# Allegro board BeagleBoard-X15_RevA2.brd (continued)
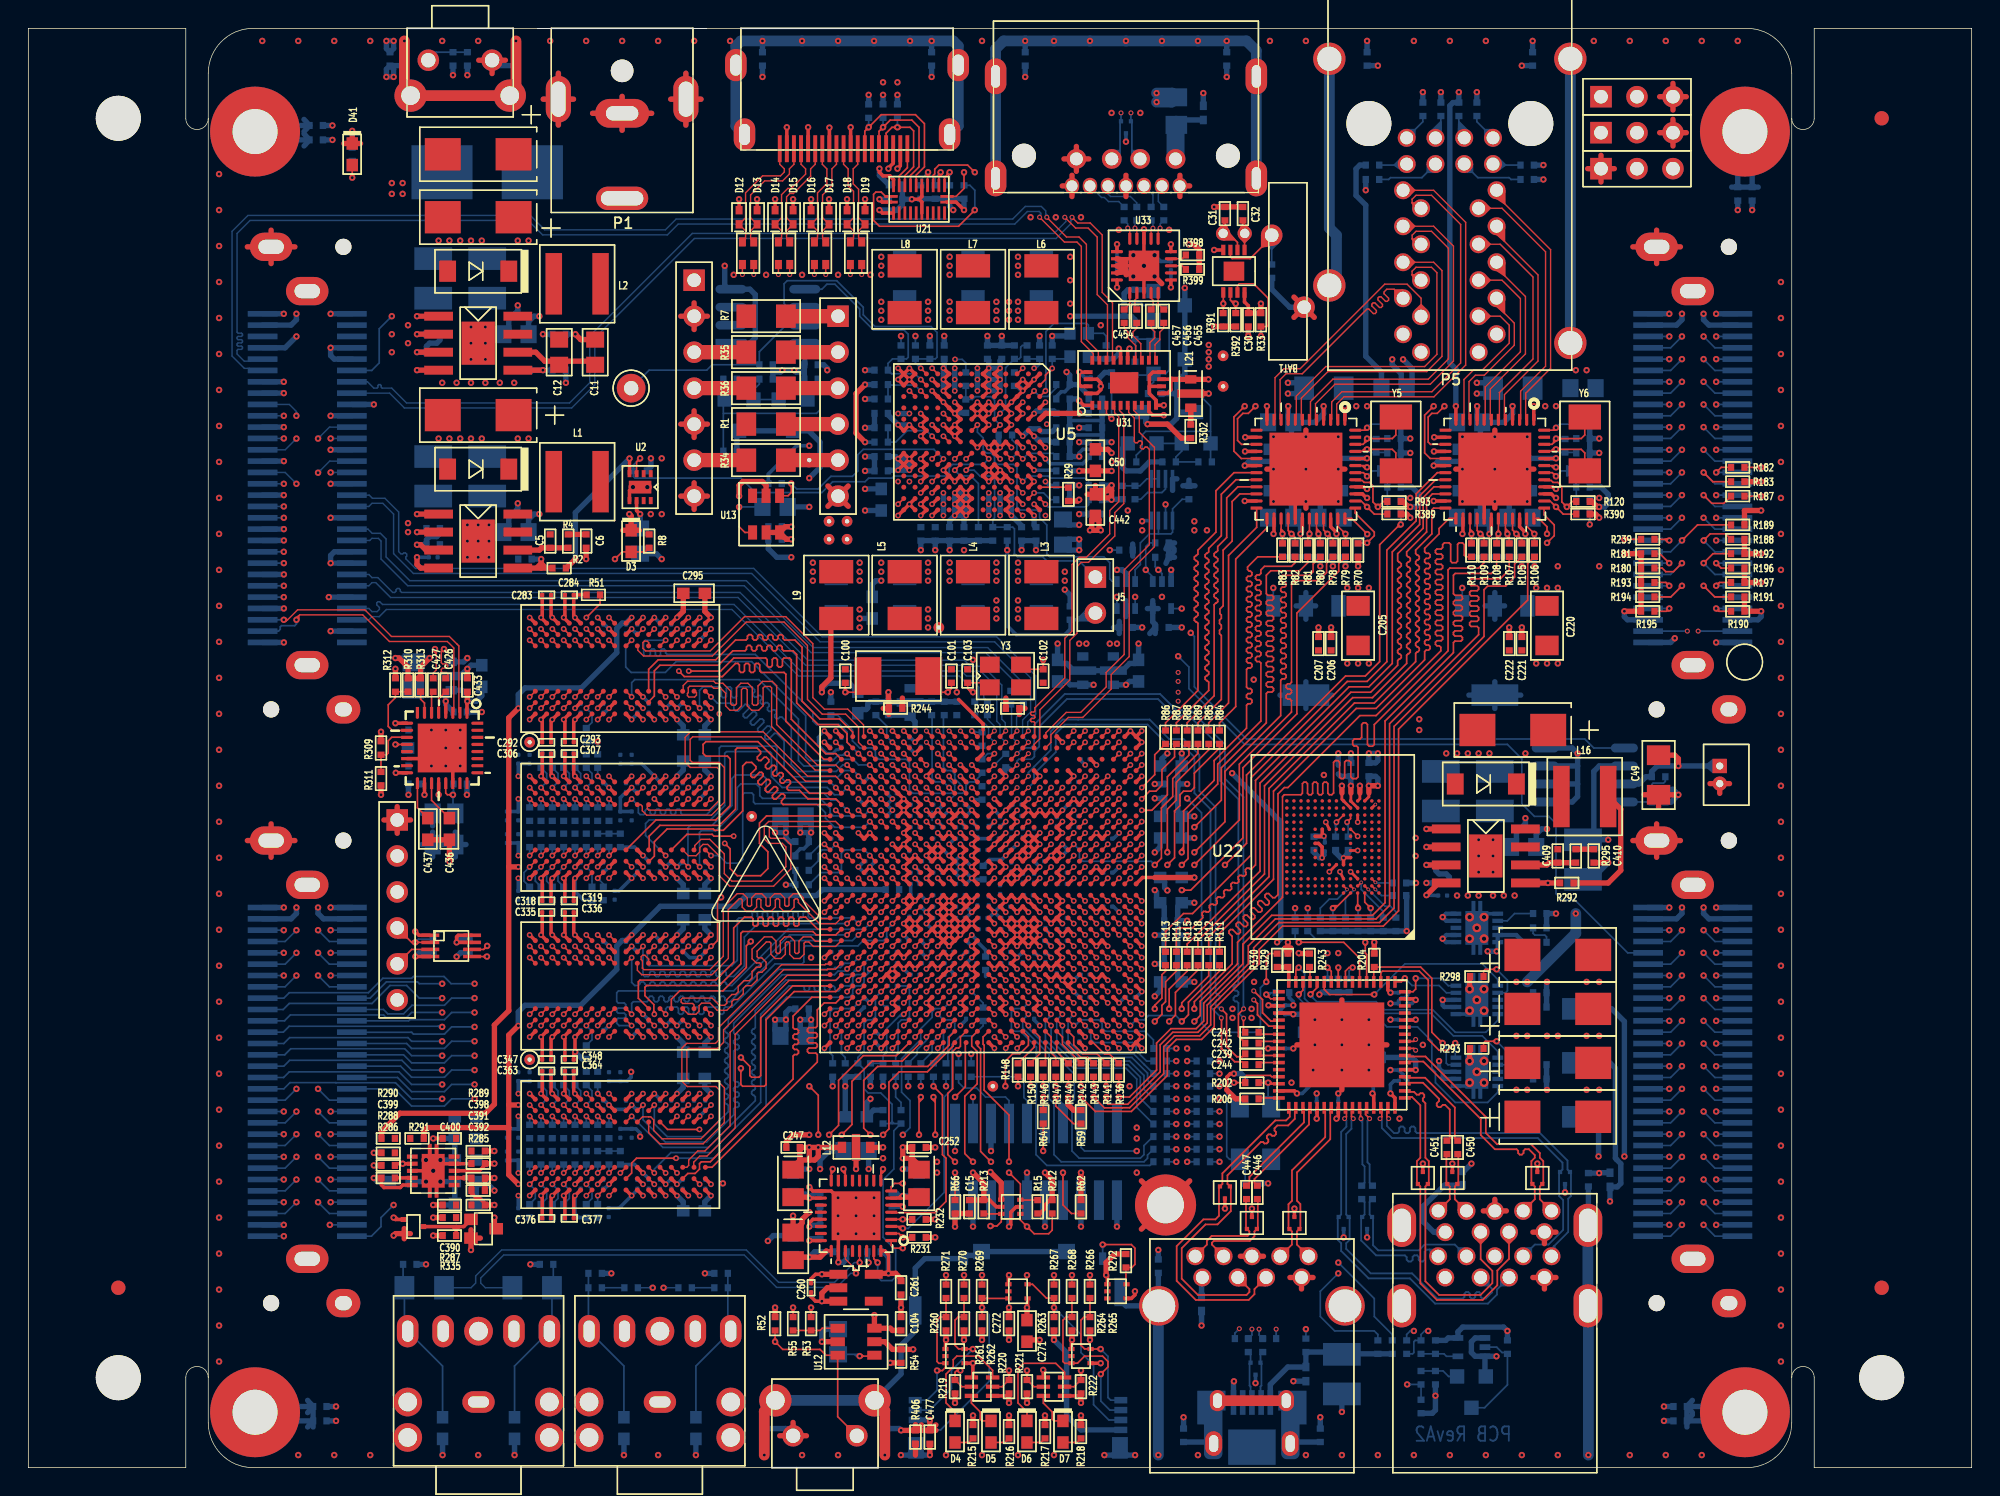
[diagram p0: board, top side]
## Routing (per net, layer and track width the routed paths; a pad name or vN(x,y) marks a point on that pad's centre or on a via; arc(x,y) is an arc through that point) (continued)
  BOTTOM w0.12: P17.52 18.12,22.74 v2(18.92,23.54)
MCASP7_AXR0: length 84.3
  TOP w0.12: U11.E14 v1(68.19,32.81)
  SIG_L5 w0.094: v2(119.13,78.25) 119.89,77.49 119.89,62.23 119,61.34 118.24,61.34 104.39,47.5 100.08,47.5 95.12,42.55 90.17,42.55 88.27,40.64 82.04,40.64 81.66,40.26 79.25,40.26 78.9,40.6 78.34,40.6 78.19,40.45 77.7,40.45 77.41,40.16 77.41,39.67 77.32,39.58 76.83,39.58 76.61,39.36 76.61,39.09 76.34,38.83 76.08,38.83 75.81,38.56 75.81,38.29 75.54,38.03 75.28,38.03 75.01,37.76 75.01,37.49 74.74,37.23 74.48,37.23 74.21,36.96 74.21,36.69 73.94,36.43 73.64,36.43 73.36,36.15 73.36,35.85 73.14,35.63 72.84,35.63 72.56,35.35 72.56,35.05 72.34,34.83 72.04,34.83 71.76,34.55 71.76,34.25 71.54,34.03 68.88,34.03 68.61,33.76 68.61,33.49 68.19,33.07 v1(68.19,32.81)
  BOTTOM w0.12: P16.5 v2(119.13,78.25)
MCASP7_AXR1: length 65.1
  TOP w0.12: U11.A13 v1(68.19,30.41)
  INT_L3 w0.094: v2(18.03,25.14) 20.44,22.73 29.34,22.73 30.48,21.59 30.48,18.29 32.13,16.64 48.64,16.64 52.96,20.95 52.96,21.84 55.75,24.64 59.44,24.64 60.71,25.91 60.71,27.05 61.34,27.69 66.42,27.69 67.83,29.1 67.83,30.05 v1(68.19,30.41)
  BOTTOM w0.12: P17.49 v2(18.03,25.14)
MCASP7_CLKX: length 74.8
  TOP w0.12: U11.G14 v1(68.19,34.41)
  SIG_L5 w0.094: v2(18.92,26.74) 19.63,26.04 21.21,26.04 22.35,24.89 22.35,18.41 25.4,15.37 30.1,15.37 30.86,14.61 32.13,14.61 32.64,15.11 49.4,15.11 53.85,19.56 53.85,24 54.74,24.89 59.44,24.89 60.71,26.16 60.71,27.06 61.2,27.56 62.23,27.56 62.74,28.07 65.41,28.07 66.17,28.83 66.17,29.46 67.03,30.33 67.03,33.25 v1(68.19,34.41)
  BOTTOM w0.12: P17.48 18.12,25.94 v2(18.92,26.74)
MCASP7_FSX: length 69.8
  TOP w0.12: U11.F14 v1(68.19,33.61)
  SIG_L5 w0.094: v1(68.19,33.61) 67.25,32.67 67.25,29.28 65.79,27.81 62.87,27.81 62.36,27.3 61.99,27.3 61.75,27.07 61.75,26.57 59.82,24.64 54.86,24.64 54.1,23.88 54.1,19.43 49.53,14.86 32.77,14.86 32.26,14.35 30.73,14.35 29.97,15.11 25.27,15.11 22.1,18.29 22.1,24.38 v2(21.34,25.14)
  BOTTOM w0.12: P17.19 v2(21.34,25.14)
MDIO_CLK: length 53.3
  TOP w0.12: v2(107.19,65.91) 107.19,66.42 106.6,67.01 U15.36 ; v2(94.5,65.9) 93.39,67.01 U14.36 ; U11.V1 v1(78.59,44.01)
  INT_L3 w0.094: v2(107.19,65.91) 106.81,66.29 100.58,66.29 100.19,65.9 v2(94.5,65.9) 94.09,65.48 94.09,65.26 93.19,64.36 90.9,64.36 90.68,64.14 90.68,49.66 v2(91.44,48.9)
  SIG_L5 w0.094: v1(78.59,44.01) 79.82,44.01 81.41,45.59 88.14,45.59 v2(91.44,48.9)
  BOTTOM w0.12: R71.2 v2(94.5,65.9)
MDIO_DATA: length 69.1
  TOP w0.12: U11.U4 v1(76.19,43.21) ; U15.37 106.98,67.26 107.7,66.55 107.7,65.79 v2(107.19,65.28) ; R70.2 93.89,65.28 v2(94.49,65.28) 95,65.79 95,66.04 93.64,67.39 U14.37
  INT_L3 w0.094: v2(94.49,65.28) v2(107.19,65.28) 109.22,65.28 v2(110.87,63.63)
  SIG_L10 w0.094: v2(110.87,63.63) 109.86,62.61 97.54,62.61 83.57,48.64 80.4,48.64 79.15,47.39 79.15,47.18 78.73,46.76 78.44,46.76 77.43,45.75 77.43,45.46 77.13,45.16 76.84,45.16 76.54,44.85 76.54,44.66 76.33,44.45 76.14,44.45 75.83,44.15 75.83,43.67 76.19,43.32 v1(76.19,43.21)
MMC1_CLK: length 44.2
  TOP w0.12: U11.W6 v1(74.59,44.81) ; R269.1 v2(67.31,13.59)
  INT_L3 w0.094: v1(74.59,44.81) 74.17,44.39 74.17,29.21 73.85,28.89 73.85,25.72 72.52,24.38 72.52,14.35 70.87,12.7 68.83,12.7 68.33,13.21 68.33,14.35 67.94,14.73 66.8,14.73 66.68,14.61 66.68,14.48 66.8,14.35 67.69,14.35 67.82,14.23 67.82,14.09 67.69,13.97 66.8,13.97 66.68,13.85 66.68,13.71 66.8,13.59 v2(67.31,13.59)
MMC1_CMD: length 43.8
  TOP w0.12: R267.1 v2(72.39,13.59) ; U11.Y6 v1(74.59,45.61)
  INT_L3 w0.094: v2(72.39,13.59) 72.9,14.1 72.9,15.11 73.68,15.89 73.68,19.75 73.87,19.94 74.47,19.94 74.55,20.02 74.55,20.14 74.47,20.22 73.87,20.22 73.79,20.3 73.79,21.23 73.87,21.31 74.47,21.31 74.55,21.4 74.55,21.51 74.47,21.6 73.87,21.6 73.79,21.68 73.79,21.79 73.87,21.88 74.47,21.88 74.55,21.96 74.55,22.08 74.47,22.16 73.87,22.16 73.79,22.24 73.79,22.36 73.87,22.44 74.47,22.44 74.55,22.52 74.55,22.64 74.47,22.72 73.87,22.72 73.79,22.81 73.79,22.92 73.87,23 74.47,23 74.55,23.09 74.55,23.2 74.47,23.29 73.87,23.29 73.79,23.37 73.79,23.49 73.87,23.57 74.47,23.57 74.55,23.65 74.55,23.77 74.47,23.85 73.87,23.85 73.79,23.93 73.79,24.05 73.87,24.13 74.47,24.13 74.55,24.22 74.55,24.33 74.47,24.41 73.87,24.41 73.79,24.5 73.79,24.77 74.74,25.72 74.74,28.89 74.96,29.12 74.96,45.23 v1(74.59,45.61)
MMC1_DAT0: length 44
  TOP w0.12: U11.AA6 v1(74.59,46.41) ; R270.1 v2(66.04,13.59)
  INT_L3 w0.094: v1(74.59,46.41) 74.35,46.41 73.92,45.98 73.63,45.98 73.41,45.76 73.41,28.58 72.96,28.13 72.96,25.72 72.26,25.02 72.26,14.61 70.74,13.08 68.96,13.08 68.71,13.34 68.71,14.61 68.2,15.11 66.42,15.11 66.04,14.73 v2(66.04,13.59)
MMC1_DAT1: length 43.8
  TOP w0.12: U11.Y4 v1(76.19,45.61) ; R271.1 v2(64.77,13.59)
  INT_L3 w0.094: v2(64.77,13.59) 65.91,12.45 71.88,12.45 73.15,13.72 73.15,14.99 74.84,16.67 74.84,24.93 75.63,25.72 75.63,28.89 75.81,29.07 75.81,45.23 v1(76.19,45.61)
MMC1_DAT2: length 44.1
  TOP w0.12: U11.AA5 v1(75.39,46.41) ; R266.1 v2(74.93,13.59)
  INT_L3 w0.094: v1(75.39,46.41) 75.81,45.98 77.21,45.98 77.36,45.83 77.36,25.8 76.45,24.89 76.45,24.42 76.54,24.34 76.88,24.34 76.96,24.26 76.96,24.14 76.88,24.06 76.54,24.06 76.45,23.98 76.45,23.86 76.54,23.78 76.88,23.78 76.96,23.69 76.96,23.58 76.88,23.49 76.54,23.49 76.45,23.41 76.45,23.3 76.54,23.21 76.88,23.21 76.96,23.13 76.96,23.01 76.88,22.93 76.54,22.93 76.45,22.85 76.45,22.73 76.54,22.65 76.88,22.65 76.96,22.57 76.96,22.45 76.88,22.37 76.54,22.37 76.45,22.28 76.45,22.17 76.54,22.08 76.88,22.08 76.96,22 76.96,21.89 76.88,21.8 76.54,21.8 76.45,21.72 76.45,21.6 76.54,21.52 76.88,21.52 76.96,21.44 76.96,21.32 76.88,21.24 76.54,21.24 76.45,21.16 76.45,21.04 76.54,20.96 76.88,20.96 76.96,20.87 76.96,20.76 76.88,20.68 76.54,20.68 76.45,20.59 76.45,20.48 76.54,20.39 76.88,20.39 76.96,20.31 76.96,20.19 76.88,20.11 76.54,20.11 76.45,20.03 76.45,19.91 76.54,19.83 76.88,19.83 76.96,19.75 76.96,19.63 76.88,19.55 76.54,19.55 76.45,19.46 76.45,17.53 74.93,16 v2(74.93,13.59)
MMC1_DAT3: length 43.7
  TOP w0.12: U11.Y3 v1(76.99,45.61) ; R268.1 v2(73.66,13.59)
  INT_L3 w0.094: v2(73.66,13.59) 73.66,15.11 75.18,16.64 75.18,17.87 75.27,17.96 75.61,17.96 75.69,18.04 75.69,18.16 75.61,18.24 75.27,18.24 75.18,18.32 75.18,18.44 75.27,18.52 75.61,18.52 75.69,18.6 75.69,18.72 75.61,18.8 75.27,18.8 75.18,18.88 75.18,19 75.27,19.08 75.61,19.08 75.69,19.17 75.69,19.28 75.61,19.37 75.27,19.37 75.18,19.45 75.18,19.57 75.27,19.65 75.61,19.65 75.69,19.73 75.69,19.85 75.61,19.93 75.27,19.93 75.18,20.01 75.18,20.13 75.27,20.21 75.61,20.21 75.69,20.29 75.69,20.41 75.61,20.49 75.27,20.49 75.18,20.58 75.18,20.69 75.27,20.78 75.61,20.78 75.69,20.86 75.69,20.97 75.61,21.06 75.27,21.06 75.18,21.14 75.18,21.26 75.27,21.34 75.61,21.34 75.69,21.42 75.69,21.54 75.61,21.62 75.27,21.62 75.18,21.7 75.18,21.82 75.27,21.9 75.61,21.9 75.69,21.99 75.69,22.1 75.61,22.19 75.27,22.19 75.18,22.27 75.18,22.38 75.27,22.47 75.61,22.47 75.69,22.55 75.69,22.67 75.61,22.75 75.27,22.75 75.18,22.83 75.18,22.95 75.27,23.03 75.61,23.03 75.69,23.11 75.69,23.23 75.61,23.31 75.27,23.31 75.18,23.4 75.18,23.51 75.27,23.59 75.61,23.59 75.69,23.68 75.69,23.79 75.61,23.88 75.27,23.88 75.18,23.96 75.18,24.38 76.52,25.72 76.52,29.02 76.58,29.08 76.58,45.21 76.97,45.61 v1(76.99,45.61)
MMC1_SD_CD: length 44.5
  TOP w0.12: v2(75.83,15.75) 77.85,15.75 78.11,15.49 78.11,14.35 77.88,14.13 R272.2 77.47,12.99 D23.5 ; U11.W7 v1(73.79,44.81)
  INT_L3 w0.094: v1(73.79,44.81) 74.17,45.19 74.17,45.72 74.48,46.03 74.74,46.03 74.96,46.25 74.96,46.64 75.15,46.83 77.12,46.83 78.16,45.79 78.16,25.59 77.22,24.64 77.22,16.64 76.33,15.75 v2(75.83,15.75)
  BOTTOM w0.12: v2(75.83,15.75) P12.10
MMC2_3V3: length 17.9
  TOP w0.203: 94.61,47.62 94.61,47.36 U22.P3
  TOP w0.254: U22.E6 v1(92.83,43.04) 92.85,43.06 U22.F5 ; U22.K9 91.32,44.69 v1(91.44,44.58) 91.43,44.57 U22.J10
  TOP w0.381: 94.61,47.62 v2(94.61,48.13) v2(95.25,48.13)
  BOTTOM w0.254: C266.1 91.5,44.51 v1(91.44,44.58)
  BOTTOM w0.381: R251.2 93.15,43.37 v1(92.83,43.04) 92.65,43.04 92.27,43.42 R250.2 ; v1(91.44,44.58) 90.77,44.58 C267.2 ; R255.2 97.28,40.35 v2(97.28,37.88) R256.2 R257.2 R252.2 R253.2 R258.2 R254.2 R259.2 ; v2(94.61,48.13) v2(95.25,48.13) 95.25,48.64 95.09,48.8 R249.1 v2(94.61,48.13)
MMC2_CLK: length 33.8
  TOP w0.12: U11.J7 v1(73.79,36.01) ; U22.M6 v1(92.33,45.57)
  SIG_L10 w0.094: v1(92.33,45.57) 92.73,45.97 94.87,45.97 95,46.11 95,46.39 94.91,46.48 91.57,46.48 85.37,40.28 82.06,40.28 81.79,40.01 79.25,40.01 78.87,40.39 76.03,40.39 75.81,40.16 75.81,39.87 75.52,39.58 75.23,39.58 75.01,39.36 75.01,39.07 74.73,38.79 73.58,38.79 73.41,38.61 73.41,36.45 73.79,36.07 v1(73.79,36.01)
  BOTTOM w0.12: v1(92.33,45.57) 92.27,45.51 R250.1
MMC2_CMD: length 34
  TOP w0.12: U11.H6 v1(74.59,35.21) ; U22.M5 93.33,45.82 v1(93.07,45.57)
  SIG_L10 w0.094: v1(93.07,45.57) 93.45,45.19 93.45,43.41 95.38,41.48 95.38,41.47 95.4,41.45 95.4,39.52 94.13,38.25 88.03,38.25 83.44,33.66 79.17,33.66 78.74,33.23 76.03,33.23 75.81,33.45 75.81,33.72 75.54,33.98 75.24,33.98 74.96,34.26 74.96,34.56 74.59,34.94 v1(74.59,35.21)
  BOTTOM w0.12: R251.1 93.15,45.49 v1(93.07,45.57)
MMC2_DAT0: length 33.8
  TOP w0.12: U11.J4 v1(76.19,36.01) ; v2(94.74,39.5) 94.33,39.91 U22.A3
  SIG_L10 w0.094: v2(94.74,39.5) 94.34,39.9 92.05,39.9 91.82,40.14 91.82,40.68 91.73,40.77 91.62,40.77 91.54,40.68 91.54,39.98 91.45,39.9 91.34,39.9 91.25,39.98 91.25,40.68 91.17,40.77 91.05,40.77 90.97,40.68 90.97,39.98 90.89,39.9 90.77,39.9 90.69,39.98 90.69,40.68 90.61,40.77 90.49,40.77 90.41,40.68 90.41,39.98 90.33,39.9 90.21,39.9 90.13,39.98 90.13,40.68 90.04,40.77 89.93,40.77 89.84,40.68 89.84,39.98 89.76,39.9 89.64,39.9 89.56,39.98 89.56,40.68 89.48,40.77 89.36,40.77 89.28,40.68 89.28,39.98 89.2,39.9 89.08,39.9 89,39.98 89,40.68 88.92,40.77 88.8,40.77 88.72,40.68 88.72,39.98 88.63,39.9 88.52,39.9 88.43,39.98 88.43,40.68 88.35,40.77 88.23,40.77 88.15,40.68 88.15,40.15 87.91,39.9 87.27,39.9 83.69,36.32 79.58,36.32 78.84,35.58 76.56,35.58 76.19,35.96 v1(76.19,36.01)
  BOTTOM w0.12: R252.1 v2(94.74,39.5)
MMC2_DAT1: length 33.9
  TOP w0.12: v2(93.85,39.5) 93.82,39.53 U22.A4 ; U11.J6 v1(74.59,36.01)
  SIG_L10 w0.094: v1(74.59,36.01) 74.96,35.63 74.96,35.09 75.23,34.83 75.66,34.83 75.81,34.68 75.81,34.25 76.08,33.98 78.94,33.98 79.65,34.69 82.91,34.69 83.31,34.29 83.69,34.29 87.12,37.72 87.12,37.97 86.84,38.25 86.84,38.39 86.93,38.48 87.16,38.48 87.24,38.56 87.24,38.78 87.32,38.86 87.44,38.86 87.52,38.78 87.52,38.56 87.6,38.48 87.72,38.48 87.8,38.56 87.8,38.78 87.88,38.86 88,38.86 88.08,38.78 88.08,38.56 88.17,38.48 88.28,38.48 88.37,38.56 88.37,38.78 88.45,38.86 88.57,38.86 88.65,38.78 88.65,38.56 88.73,38.48 88.85,38.48 88.93,38.56 88.93,38.78 89.01,38.86 89.13,38.86 89.21,38.78 89.21,38.56 89.29,38.48 89.41,38.48 89.49,38.56 89.49,38.78 89.58,38.86 89.69,38.86 89.78,38.78 89.78,38.56 89.86,38.48 89.98,38.48 90.06,38.56 90.06,38.78 90.14,38.86 90.26,38.86 90.34,38.78 90.34,38.56 90.42,38.48 90.54,38.48 90.62,38.56 90.62,38.78 90.7,38.86 90.82,38.86 90.9,38.78 90.9,38.56 90.99,38.48 91.1,38.48 91.19,38.56 91.19,38.78 91.27,38.86 91.38,38.86 91.47,38.78 91.47,38.56 91.55,38.48 91.67,38.48 91.75,38.56 91.75,38.78 91.83,38.86 91.95,38.86 92.03,38.78 92.03,38.56 92.11,38.48 92.23,38.48 92.31,38.56 92.31,38.78 92.4,38.86 92.51,38.86 92.6,38.78 92.6,38.56 92.68,38.48 92.79,38.48 92.88,38.56 92.88,38.78 92.96,38.86 93.08,38.86 93.16,38.78 93.16,38.56 93.24,38.48 93.98,38.48 94.29,38.8 94.29,39.4 94.2,39.5 v2(93.85,39.5)
  BOTTOM w0.12: R253.1 v2(93.85,39.5)
MMC2_DAT2: length 33.8
  TOP w0.12: U22.A5 92.26,39.5 v2(92.08,39.5) ; U11.H4 v1(76.19,35.21)
  SIG_L10 w0.094: v2(92.08,39.5) 91.69,39.12 86.87,39.12 86.2,38.45 86.2,38.34 86.72,37.82 86.72,37.7 86.64,37.62 86.52,37.62 86.01,38.14 85.89,38.14 85.81,38.05 85.81,37.94 86.32,37.42 86.32,37.3 86.24,37.22 86.12,37.22 85.61,37.74 85.49,37.74 85.41,37.66 85.41,37.54 85.93,37.02 85.93,36.9 85.84,36.82 85.73,36.82 85.21,37.34 85.09,37.34 85.01,37.26 85.01,37.14 85.53,36.62 85.53,36.5 85.44,36.42 85.33,36.42 84.81,36.94 84.69,36.94 84.61,36.86 84.61,36.74 85.13,36.22 85.13,36.11 85.05,36.02 84.93,36.02 84.41,36.54 84.29,36.54 84.21,36.46 84.21,36.34 84.73,35.82 84.73,35.71 84.65,35.62 84.53,35.62 84.01,36.14 83.89,36.14 83.81,36.06 83.81,35.94 84.33,35.43 84.33,35.31 84.25,35.23 84.13,35.23 83.61,35.74 83.5,35.74 83.41,35.66 83.41,35.54 83.93,35.03 83.93,34.91 83.85,34.83 83.73,34.83 83.21,35.35 83.1,35.35 82.68,34.92 78.99,34.92 78.85,34.78 76.61,34.78 v1(76.19,35.21)
  BOTTOM w0.12: R254.1 v2(92.08,39.5)
MMC2_DAT3: length 34.1
  TOP w0.12: U22.B2 v4(95.07,40.82) ; U11.H5 v1(75.39,35.21)
  SIG_L10 w0.094: v4(95.07,40.82) 94.39,40.13 92.58,40.13 92.46,40.26 92.46,41.02 92.33,41.15 90.97,41.15 90.88,41.23 90.88,42.59 90.8,42.67 90.68,42.67 90.6,42.59 90.6,41.23 90.52,41.15 90.4,41.15 90.32,41.23 90.32,42.08 90.24,42.16 90.12,42.16 90.04,42.08 90.04,41.23 89.95,41.15 89.84,41.15 89.75,41.23 89.75,41.57 89.67,41.66 89.56,41.66 89.47,41.57 89.47,41.23 89.39,41.15 88.14,41.15 84.96,37.97 84.85,37.97 84.58,38.24 84.47,38.24 84.38,38.15 84.38,38.04 84.65,37.77 84.65,37.66 84.56,37.57 84.45,37.57 84.18,37.84 84.07,37.84 83.98,37.76 83.98,37.64 84.25,37.37 84.25,37.26 84.17,37.18 84.05,37.18 83.78,37.44 83.67,37.44 83.59,37.36 83.59,37.24 83.85,36.98 83.85,36.86 83.69,36.7 79.25,36.7 78.93,36.38 76.03,36.38 75.81,36.16 75.81,35.63 v1(75.39,35.21)
  BOTTOM w0.12: R255.1 95.5,40.39 v4(95.07,40.82)
MMC2_DAT4: length 35.8
  TOP w0.12: U11.K7 v1(73.79,36.81) ; U22.B3 v4(94.58,40.82)
  SIG_L10 w0.094: v4(94.58,40.82) 94.06,40.82 93.75,41.13 93.75,41.45 94.04,41.75 94.04,41.88 93.38,42.55 92.79,42.55 92.45,42.88 92.45,43.3 92.84,43.69 92.84,44.7 92.58,44.96 90.81,44.96 84.96,39.12 81.39,39.12 81.3,39.03 81.3,38.56 81.22,38.48 81.1,38.48 81.02,38.56 81.02,39.03 80.94,39.12 80.82,39.12 80.74,39.03 80.74,38.56 80.66,38.48 80.54,38.48 80.46,38.56 80.46,39.03 80.37,39.12 80.26,39.12 80.18,39.03 80.18,38.56 80.09,38.48 79.98,38.48 79.89,38.56 79.89,39.03 79.81,39.12 79.25,39.12 78.96,38.83 76.08,38.83 75.81,38.56 75.81,38.29 75.5,37.98 75.23,37.98 75.01,37.76 75.01,37.49 74.7,37.18 74.16,37.18 v1(73.79,36.81)
  BOTTOM w0.12: R256.1 96.52,39.24 96.14,39.62 95.77,39.62 v4(94.58,40.82)
MMC2_DAT5: length 35.7
  TOP w0.12: U11.M7 v1(73.79,38.41) ; U22.B4 93.83,41.06 v4(94.08,41.32)
  SIG_L10 w0.094: v1(73.79,38.41) 74.16,38.03 74.74,38.03 75.01,38.29 75.01,38.56 75.28,38.83 75.54,38.83 75.76,39.05 75.76,39.32 76.03,39.58 79.07,39.58 79.28,39.37 79.5,39.37 79.71,39.58 79.93,39.58 80.14,39.37 80.37,39.37 80.58,39.58 80.8,39.58 81.01,39.37 81.23,39.37 81.44,39.58 81.83,39.58 82.04,39.37 82.75,39.37 82.83,39.45 82.83,39.92 82.92,40.01 83.03,40.01 83.12,39.92 83.12,39.45 83.2,39.37 83.31,39.37 83.4,39.45 83.4,39.92 83.48,40.01 83.6,40.01 83.68,39.92 83.68,39.45 83.76,39.37 83.88,39.37 83.96,39.45 83.96,39.92 84.04,40.01 84.16,40.01 84.24,39.92 84.24,39.45 84.33,39.37 84.84,39.37 90.65,45.19 92.86,45.19 93.09,44.96 93.09,43.31 94.69,41.71 94.69,41.41 94.59,41.32 v4(94.08,41.32)
  BOTTOM w0.12: v4(94.08,41.32) 94.07,41.31 94.07,40.82 95.63,39.26 R257.1
MMC2_DAT6: length 34.7
  TOP w0.12: U11.J5 v1(75.39,36.01) ; U22.B5 93.33,41.06 v4(93.58,40.82)
  SIG_L10 w0.094: v4(93.58,40.82) 93.27,40.51 93.23,40.51 93.21,40.49 92.8,40.49 92.71,40.58 92.71,41.27 92.58,41.4 91.44,41.4 91.19,41.66 91.19,42.39 91.95,43.15 91.95,43.56 91.69,43.81 90.42,43.81 90.27,43.66 90.27,43.54 90.6,43.21 90.6,43.1 90.51,43.01 90.4,43.01 90.07,43.34 89.95,43.34 89.87,43.26 89.87,43.14 90.2,42.82 90.2,42.7 90.11,42.62 90,42.62 89.67,42.94 89.55,42.94 89.47,42.86 89.47,42.74 89.8,42.42 89.8,42.3 89.72,42.22 89.6,42.22 89.27,42.55 89.15,42.55 89.07,42.46 89.07,42.35 89.4,42.02 89.4,41.9 89.32,41.82 89.2,41.82 88.87,42.15 88.76,42.15 88.67,42.06 88.67,41.95 89,41.62 89,41.5 88.92,41.42 88.8,41.42 88.47,41.75 88.36,41.75 85.22,38.61 84.2,38.61 83.44,37.85 82.42,37.85 82.19,37.61 82.19,37.23 82.04,37.08 79.44,37.08 79.31,37.21 76.06,37.21 75.81,36.96 75.81,36.57 75.39,36.14 v1(75.39,36.01)
  BOTTOM w0.12: v4(93.58,40.82) 92.96,40.2 R258.1
MMC2_DAT7: length 36
  TOP w0.12: U11.K6 v1(74.59,36.81) ; U22.B6 v4(93.07,40.82)
  SIG_L10 w0.094: v4(93.07,40.82) 93.07,41.42 92.81,41.69 91.67,41.69 91.45,41.91 91.45,42.22 92.2,42.98 92.2,43.81 91.95,44.07 90.3,44.07 85.09,38.86 83.51,38.86 83.43,38.78 83.43,38.29 83.35,38.21 83.23,38.21 83.15,38.29 83.15,38.78 83.07,38.86 82.95,38.86 82.87,38.78 82.87,38.29 82.78,38.21 82.67,38.21 82.59,38.29 82.59,38.78 82.5,38.86 82.39,38.86 82.3,38.78 82.3,38.29 82.22,38.21 81.45,38.21 81.37,38.12 81.37,37.55 81.29,37.47 81.17,37.47 81.09,37.55 81.09,38.12 81.01,38.21 80.89,38.21 80.81,38.12 80.81,37.55 80.72,37.47 80.61,37.47 80.52,37.55 80.52,38.12 80.44,38.21 80.32,38.21 80.24,38.12 80.24,37.55 80.16,37.47 80.04,37.47 79.96,37.55 79.96,38.12 79.88,38.21 79.23,38.21 79,37.98 76.03,37.98 75.81,37.76 75.81,37.43 75.56,37.18 75.23,37.18 74.85,36.81 v1(74.59,36.81)
  BOTTOM w0.12: v4(93.07,40.82) 92.39,40.13 91.82,40.13 91.19,39.5 R259.1
MMC3_CLK: length 93.2
  TOP w0.12: U11.AD4 v1(76.19,48.81)
  SIG_L5 w0.094: v1(76.19,48.81) 76.2,48.82 76.2,49.78 75.03,50.95 75.03,52.09 70.61,56.52 58.17,56.52 47.75,66.93 35.05,66.93 33.02,64.9 30.35,64.9 26.92,61.47 26.92,48.64 24.26,45.97 24.26,40.13 21.59,37.47 21.08,37.47 20.85,37.7 20.85,38.11 20.6,38.35 19.34,38.35 v2(18.92,37.94)
  BOTTOM w0.12: P17.34 18.12,37.14 v2(18.92,37.94)
MMC3_CMD: length 92.3
  TOP w0.12: U11.AC4 v1(76.19,48.01)
  SIG_L5 w0.094: v2(20.45,37.94) 20.45,37.47 20.82,37.1 21.6,37.1 24.51,40.01 24.51,45.85 27.18,48.51 27.18,61.21 30.61,64.64 33.15,64.64 35.18,66.67 47.62,66.67 58.04,56.26 70.48,56.26 74.17,52.58 74.17,50.93 75.06,50.04 75.56,50.04 75.81,49.79 75.81,48.38 v1(76.19,48.01)
  BOTTOM w0.12: v2(20.45,37.94) 21.25,37.14 P17.4
MMC3_DAT0: length 90.8
  TOP w0.12: U11.AC7 v1(73.79,48.01)
  SIG_L5 w0.094: v1(73.79,48.01) 73.41,47.62 72.79,47.62 72.56,47.85 72.56,48.21 72.26,48.51 72.26,49.4 71.63,50.04 71.63,52.7 70.36,53.98 55.63,53.98 53.72,55.88 53.72,58.29 46.86,65.15 35.94,65.15 32.51,61.72 32.51,46.35 30.23,44.07 30.23,38.61 29.21,37.59 29.21,36.96 26.99,34.74 v2(21.34,34.74)
  BOTTOM w0.12: P17.7 v2(21.34,34.74)
MMC3_DAT1: length 91.4
  TOP w0.12: U11.AC6 v1(74.59,48.01)
  SIG_L5 w0.094: v2(18.92,36.34) 19.83,35.43 21.84,35.43 25.78,39.37 26.67,39.37 28.96,41.66 28.96,43.56 31.75,46.35 31.75,52.07 31.37,52.45 31.37,53.85 32,54.48 32,61.98 35.69,65.66 47.12,65.66 57.53,55.24 69.85,55.24 72.11,52.99 72.11,50.32 73.41,49.02 73.41,48.65 73.63,48.43 74,48.43 74.42,48.01 v1(74.59,48.01)
  BOTTOM w0.12: P17.36 18.12,35.54 v2(18.92,36.34)
MMC3_DAT2: length 91.1
  TOP w0.12: U11.AC9 v1(72.19,48.01)
  SIG_L5 w0.094: v2(20.45,34.74) 20.9,34.29 26.92,34.29 29.46,36.83 29.46,37.47 30.48,38.48 30.48,43.94 32.77,46.23 32.77,61.59 36.07,64.9 46.74,64.9 53.34,58.29 53.34,55.88 55.5,53.72 70.23,53.72 71.37,52.58 71.37,49.91 72.01,49.28 72.01,48.18 v1(72.19,48.01)
  BOTTOM w0.12: P17.8 21.25,33.94 20.45,34.74 v2(20.45,34.74)
MMC3_DAT3: length 96.5
  TOP w0.12: U11.AC3 v1(76.99,48.01)
  SIG_L5 w0.094: v1(76.99,48.01) 76.99,49.89 76.58,50.29 76.58,52.2 75.82,52.96 74.93,52.96 70.1,57.78 57.66,57.78 47.75,67.69 46.1,67.69 45.09,68.71 32.13,68.71 28.07,64.64 27.18,64.64 26.42,63.88 26.42,50.8 23.75,48.13 23.75,40.89 21.59,38.73 18.82,38.73 v2(18.03,37.94)
  BOTTOM w0.12: P17.33 v2(18.03,37.94)
MMC3_DAT4: length 91
  TOP w0.12: U11.AC8 v1(72.99,48.01)
  SIG_L5 w0.094: v1(72.99,48.01) 72.99,48.17 72.52,48.64 72.52,49.53 71.88,50.16 71.88,52.83 70.48,54.23 55.75,54.23 54.1,55.88 54.1,58.29 46.99,65.41 35.81,65.41 32.26,61.85 32.26,54.36 31.6,53.7 31.6,52.73 32,52.32 32,46.23 29.21,43.43 29.21,41.53 26.8,39.12 25.91,39.12 21.97,35.18 18.47,35.18 v2(18.03,34.74)
  BOTTOM w0.12: P17.37 v2(18.03,34.74)
MMC3_DAT5: length 90.8
  TOP w0.12: U11.AD6 v1(74.59,48.81)
  SIG_L5 w0.094: v1(74.59,48.81) 74.59,49.11 74.23,49.46 74.23,49.72 73.91,50.04 73.53,50.04 72.55,51.02 72.55,53.31 70.1,55.75 57.79,55.75 47.37,66.17 35.43,66.17 31.5,62.23 31.5,55.75 29.97,54.23 29.97,48.51 29.46,48.01 29.46,44.83 26.29,41.66 25.53,41.66 25.02,41.15 25.02,39.37 21.59,35.94 21.09,35.94 20.85,36.17 20.85,36.55 20.57,36.83 18.52,36.83 v2(18.03,36.34)
  BOTTOM w0.12: P17.35 v2(18.03,36.34)
MMC3_DAT6: length 93.8
  TOP w0.12: U11.AB8 v1(72.99,47.21)
  SIG_L5 w0.094: v1(72.99,47.21) 72.72,47.21 72.3,47.62 72.01,47.62 71.79,47.85 71.79,49.12 71.12,49.78 71.12,52.45 70.1,53.47 55.37,53.47 52.96,55.88 52.96,58.29 46.61,64.64 36.2,64.64 33.02,61.47 33.02,46.1 30.73,43.81 30.73,38.35 29.72,37.34 29.72,36.7 27.05,34.04 19.63,34.04 v2(18.92,34.74)
  BOTTOM w0.12: P17.38 18.12,33.94 18.92,34.74 v2(18.92,34.74)
MMC3_DAT7: length 91.9
  TOP w0.12: U11.AB5 v1(75.39,47.21)
  SIG_L5 w0.094: v1(75.39,47.21) 75.01,47.58 75.01,48.18 74.8,48.39 74.42,48.39 74.17,48.64 74.17,49.02 73.94,49.25 73.64,49.25 72.33,50.57 72.33,53.15 69.98,55.5 57.66,55.5 47.24,65.91 35.56,65.91 31.75,62.1 31.75,55.63 30.59,54.46 30.59,52.85 31.5,51.94 31.5,46.48 28.7,43.69 28.7,41.78 26.54,39.62 25.65,39.62 21.72,35.69 20.83,35.69 20.45,36.07 v2(20.45,36.34)
  BOTTOM w0.12: v2(20.45,36.34) 21.25,35.54 P17.6
Net_25: length 2.7
  BOTTOM w0.12: 114.33,17.94 115.91,17.94 v2(116.71,18.74)
Net_44: length 0.6
  TOP w0.12: 67.79,48.41 v1(68.19,48.81)
Net_45: length 0.6
  TOP w0.12: 69.79,69.21 v1(70.19,68.81)
Net_100: length 0.6
  TOP w0.12: v1(40.98,41.61) 41.38,42.01
Net_101: length 0.6
  TOP w0.12: v1(40.98,52.81) 41.38,53.21
Net_102: length 0.6
  TOP w0.12: v1(39.38,52.81) 39.78,53.21
Net_103: length 0.6
  TOP w0.12: v1(39.38,41.61) 39.78,42.01
Net_104: length 0.6
  TOP w0.12: v1(40.98,60.01) 41.38,59.61
Net_105: length 0.6
  TOP w0.12: v1(40.98,48.81) 41.38,48.41
Net_106: length 0.6
  TOP w0.12: v1(39.38,48.81) 39.78,48.41
Net_161: length 0.6
  TOP w0.12: v1(63.79,69.61) 64.19,70.01
Net_1051: length 0.6
  TOP w0.12: v1(40.98,26.4) 41.38,26
Net_1052: length 0.6
  TOP w0.12: v1(40.98,19.2) 41.38,19.6
Net_1053: length 0.6
  TOP w0.12: v1(39.38,19.2) 39.78,19.6
Net_1054: length 0.6
  TOP w0.12: v1(39.38,26.4) 39.78,26
Net_1055: length 0.6
  TOP w0.12: v1(40.98,37.6) 41.38,37.2
Net_1056: length 0.6
  TOP w0.12: v1(40.98,30.4) 41.38,30.8
Net_1057: length 0.6
  TOP w0.12: v1(39.38,30.4) 39.78,30.8
Net_1058: length 0.6
  TOP w0.12: v1(39.38,37.6) 39.78,37.2
OC0: length 20.7
  TOP w0.12: v2(89.66,33.4) 89.96,33.7 U17.46
  BOTTOM w0.12: v2(89.66,33.4) 89.66,33.15 90.42,32.38 94.61,32.38 95.89,31.11 98.04,31.11 99.06,30.1 99.06,28.19 99.31,27.94 99.31,27.18 100.71,25.78 103,25.78 103.71,26.49 U29.10
OC1: length 19.1
  TOP w0.12: v2(89.66,35.31) 89.46,35.11 U17.47
  BOTTOM w0.12: U29.6 103.71,29.39 102.62,30.48 100.58,30.48 99,32.07 95.44,32.07 94.87,32.64 90.55,32.64 90.08,33.11 90.08,34.89 v2(89.66,35.31)
OC2: length 16.2
  TOP w0.12: U17.44 90.96,33.89 90.64,33.57 90.64,33.56 v2(90.49,33.41)
  BOTTOM w0.12: v2(90.49,33.41) 90.49,33.33 90.93,32.89 95.12,32.89 95.69,32.32 99.12,32.32 100.71,30.73 102.87,30.73 103.71,31.57 U30.10
OC3: length 14.7
  TOP w0.12: U17.43 91.46,33.76 91.82,33.4 v2(95,33.4)
  BOTTOM w0.12: U30.6 103.71,34.47 102.62,35.56 97.16,35.56 v2(95,33.4)
OSC0_XI: length 9.2
  TOP w0.12: C101.1 65.15,54.99 v2(64.9,54.74) 64.26,54.74 63.55,55.45 Y2.1 ; U11.AE15 v1(66.59,49.61)
  GND_L9 w0.094: v1(66.59,49.61) 66.17,50.02 66.17,53.47 v2(64.9,54.74)
OSC0_XO: length 16.7
  TOP w0.12: Y2.2 59.26,55.45 58.55,54.74 v2(57.66,54.74) C100.1 ; U11.AD15 v1(66.59,48.81)
  GND_L9 w0.094: v2(57.66,54.74) 58.17,54.23 63.5,54.23 65.41,52.32 65.41,49.4 65.63,49.18 66.21,49.18 v1(66.59,48.81)
OSC1_XI: length 10.3
  TOP w0.12: v2(66.68,54.74) 66.55,54.74 66.29,54.99 C103.1 67.54,55.41 Y3.1 ; U11.AC15 v1(66.59,48.01)
  GND_L9 w0.094: v2(66.68,54.74) 67.06,54.36 67.06,48.47 v1(66.59,48.01)
OSC1_XO: length 14.6
  TOP w0.12: v2(71.63,57.02) C102.1 70.39,56.35 Y3.3 ; U11.AC13 v1(68.99,48.01)
  GND_L9 w0.094: v2(71.63,57.02) 67.56,52.96 67.56,48.77 67.94,48.39 68.6,48.39 v1(68.99,48.01)
P0_TRD[0]N: length 26.8
  TOP w0.102: U14.3 91.99,74.03 91.99,75.23 92.71,75.95 99.06,75.95 101.09,77.98 101.09,87.76 99.03,89.81 97.94,89.81 97.66,89.54 97.66,89.28 98.04,88.9 P5.12
P0_TRD[0]P: length 26.8
  TOP w0.102: P5.11 99.18,90.17 101.45,87.9 101.45,77.83 99.21,75.59 92.86,75.59 92.35,75.08 92.35,74.03 U14.2
P0_TRD[1]N: length 24.3
  TOP w0.102: U14.6 90.49,74.03 90.49,75.25 92.08,76.83 98.81,76.83 100.23,78.26 100.23,86.08 99.03,87.27 97.94,87.27 97.67,87 97.67,86.73 98.04,86.36 P5.14
P0_TRD[1]P: length 24.4
  TOP w0.102: U14.5 90.85,74.03 90.85,75.1 92.22,76.48 98.95,76.48 100.58,78.11 100.58,86.23 99.18,87.63 P5.13
P0_TRD[2]N: length 21.7
  TOP w0.102: U14.8 89.49,74.03 89.49,75.64 91.57,77.72 98.55,77.72 99.42,78.59 99.42,84.35 99.03,84.73 97.94,84.73 97.66,84.45 97.66,84.2 98.04,83.82 P5.16
P0_TRD[2]P: length 21.8
  TOP w0.102: P5.15 99.18,85.09 99.77,84.5 99.77,78.44 98.7,77.37 91.72,77.37 89.85,75.5 89.85,74.03 U14.7
P0_TRD[3]N: length 17.7
  TOP w0.102: U14.11 87.99,74.03 87.99,76.94 88.62,77.57 89.76,77.57 95.73,83.54 97.31,83.54 98.3,82.55 P5.18
